# Altium PCB 1010829PA_HVFlyback_GD_Testboard.PcbDoc (part 1 of 2) (continued)
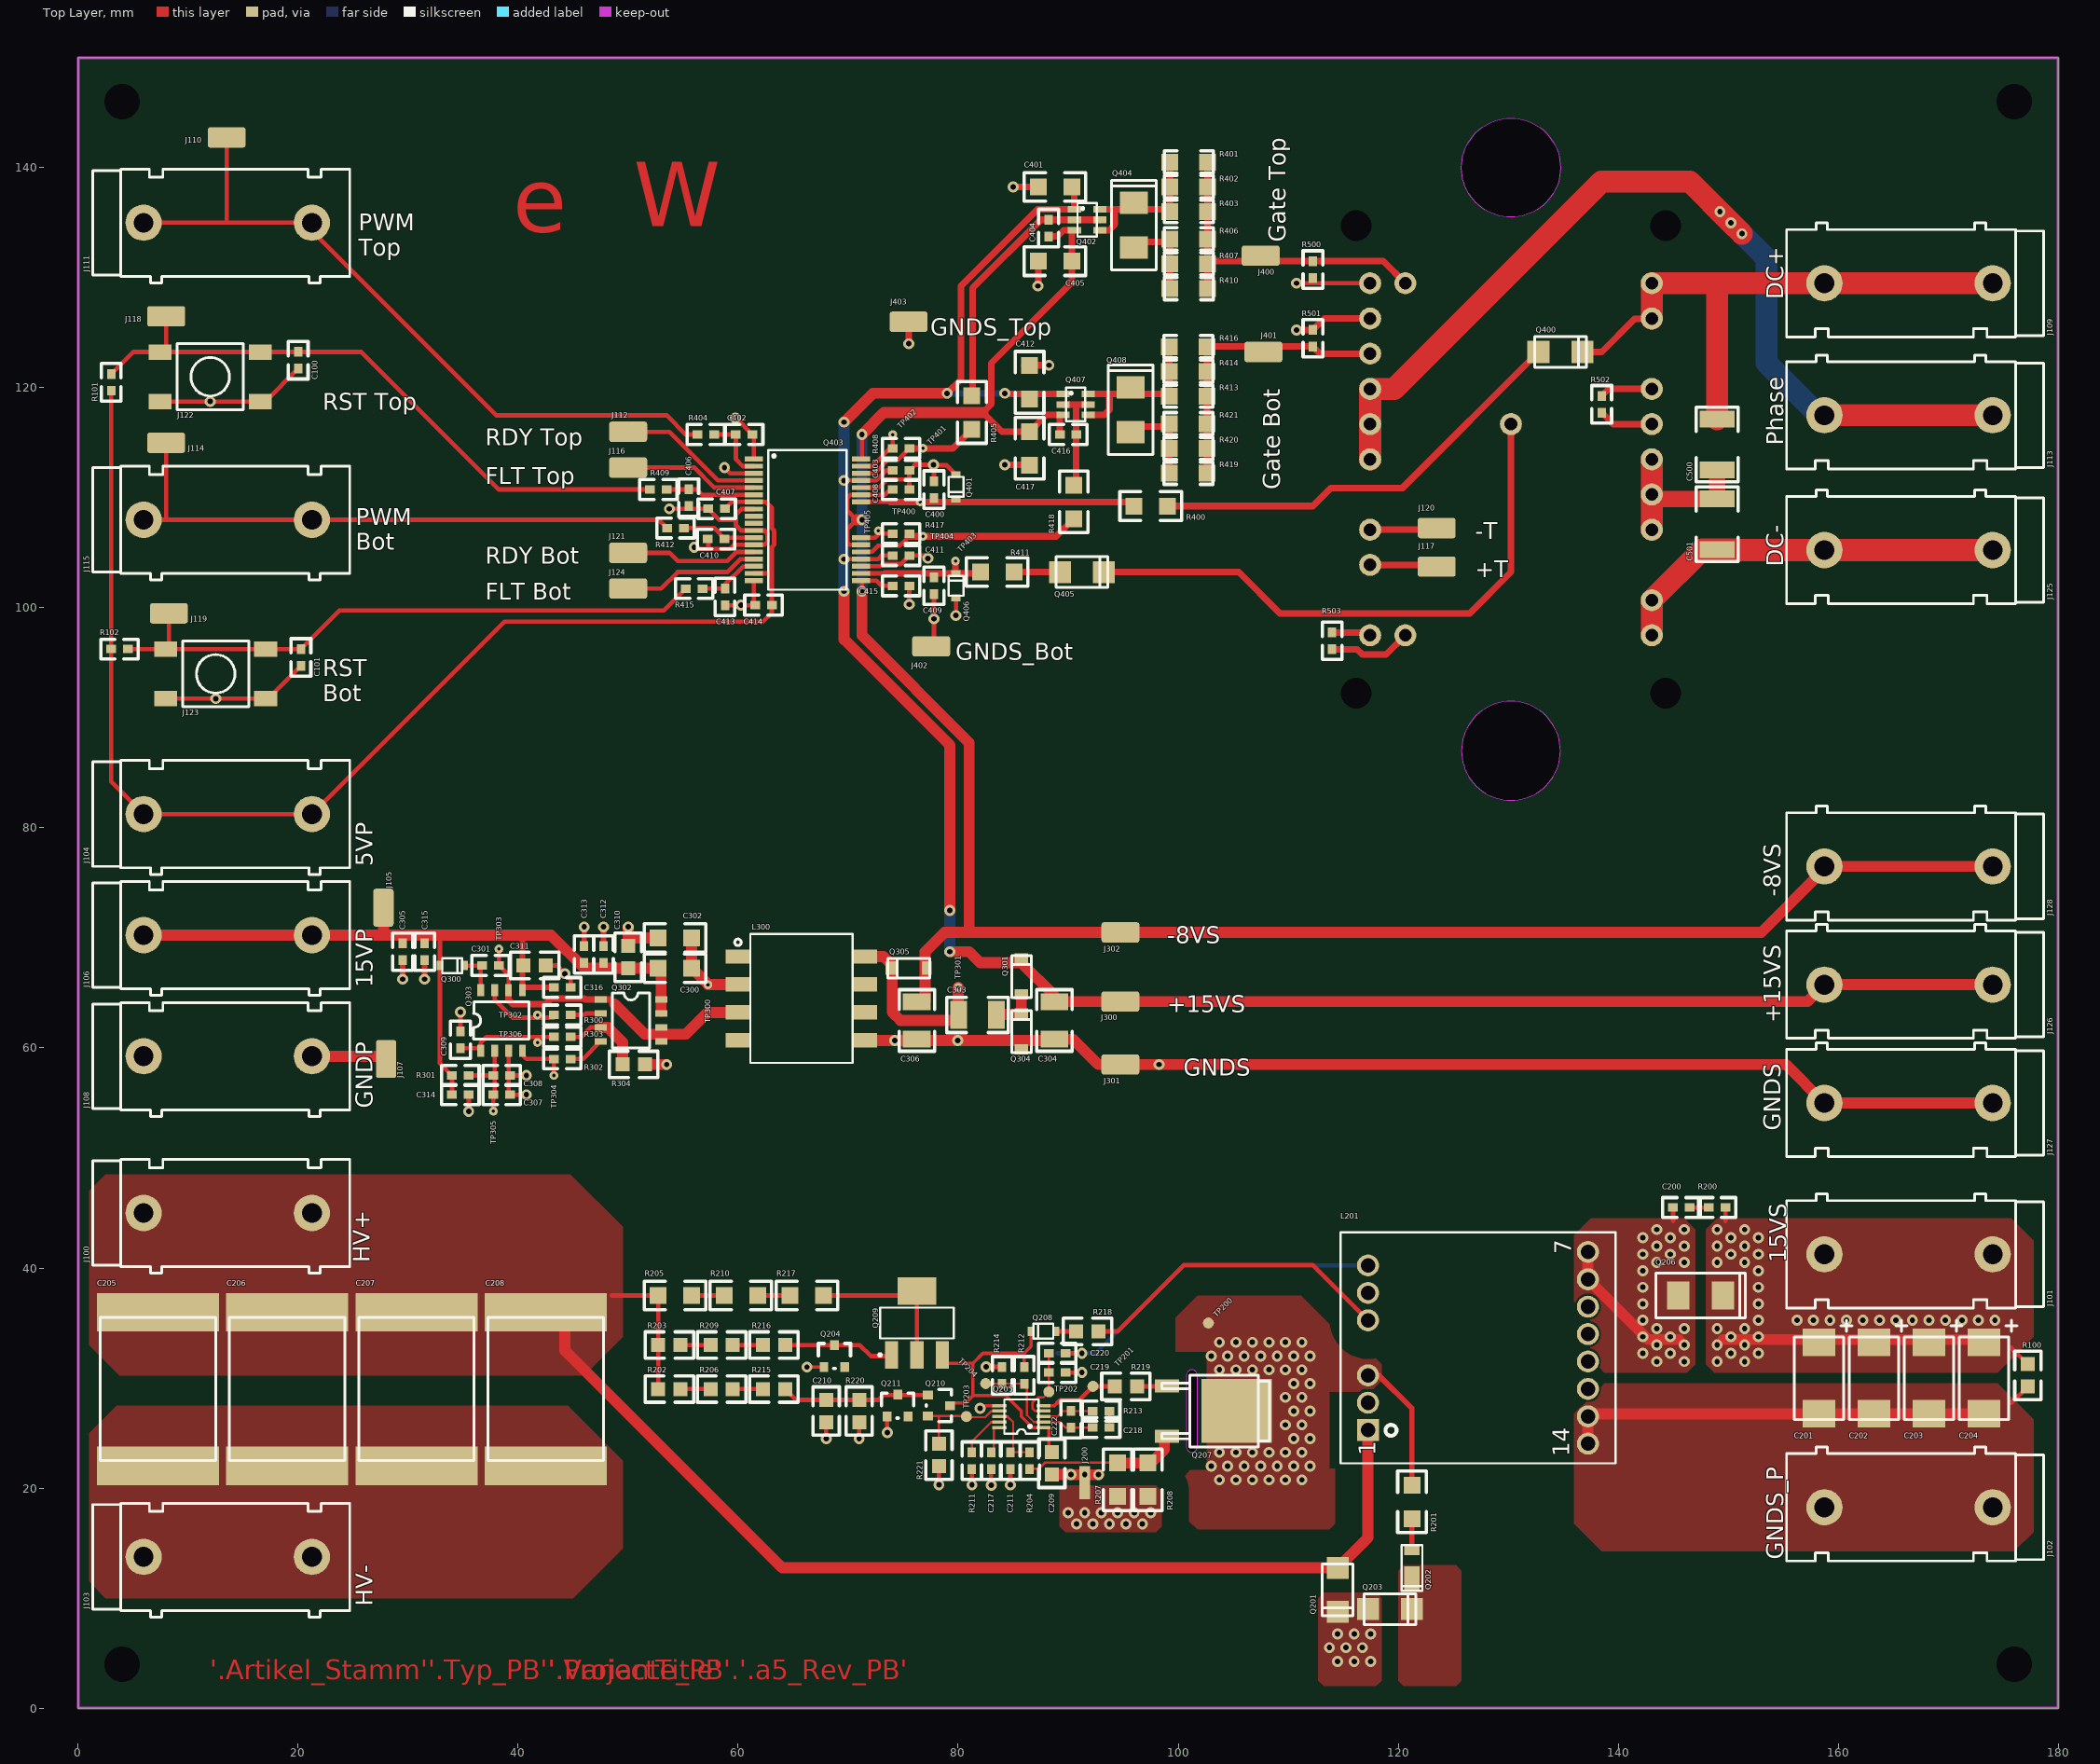
[diagram p0: Top Layer view]
## Part data (continued)
C303 C304 C306: library part 02-0107, CaseName=1210, Manufacturer 1=muRata, Manufacturer Part Number 1=GRM32ER71H475KA88L, Tolerance=10, Voltage=50V, Checked=SBR, ComponentLink1Description=Datasheet, ComponentLink1URL=http://search.murata.co.jp/Ceramy/image/img/PDF/ENG/GRM32ER71H475KA88.pdf, Distributor=Distrelec, LatestRevision Date=13.12.2006, LatestRevision Note=Checked, Order Number=823524, Part Description="Ceramic 1210 4u7 50V X7R", Part Number=02-0107, PartValue=4u7, Price=1.18, ROHS=True, Type1=CAP, Type2=Ceramic, Type3=X7R
C309: library part 02-0303, CaseName=0603, Manufacturer 1=Murata, Manufacturer Part Number 1=GCM188R72A102KA37D, Tolerance=10, Voltage=100V, Author=RLE, ComponentLink1Description=Datasheet, ComponentLink1URL=http://search.murata.co.jp/Ceramy/image/img/A01X/G101/ENG/GCM188R72A102KA37-01.pdf, Distributor=Mouser, LatestRevision Date=15.10.2013, LatestRevision Note=Initial, Order Number=81-GCM188R72A102KA7D, Part Description="Ceramic 0603 1n 100V X7R Automotive (AEC-Q200)", Part Number=02-0303, PartValue=1n, Price=0.3, ROHS=True, Type1=CAP, Type2=Ceramic, Type3=X7R
C310 C311: library part 02-0268, CaseName=0805, Manufacturer 1=TDK, Manufacturer Part Number 1=CGA4J1X7R1E475K, Tolerance=10, Voltage=25V, Author=MFR, ComponentLink1Description=Datasheet, ComponentLink1URL=http://www.tdk.com/pdf/general_B11.pdf, Distributor=Mouser, LatestRevision Date=18.06.2012, LatestRevision Note=Initial, Order Number=810-CGA4J1X7R1E475K, Part Description="Automotive Ceramic 0805 4.7uF 25V 10%", Part Number=02-0268, PartValue=4u7, Price=0.55, ROHS=True, Type1=CAP, Type2=Ceramic, Type3=X7R
C401 C405 C412 C417: library part 02-0262, CaseName=1206, Manufacturer 1=TDK, Manufacturer Part Number 1=CGA5L1X7R1E106M160AE, Manufacturer Part Number 2=CGA5L1X7R1E106K160AE, Tolerance=20, Voltage=25V, Author=CBA, ComponentLink1Description=Datasheet, ComponentLink1URL=http://tdk.com/pdf/automotive_B11.pdf, Distributor=Digikey, Distributor 2=Mouser, LatestRevision Date=15.06.2012, LatestRevision Note=Initial, Manufacturer 2=TDK, Order Number=445-7969-1-ND, Order Number 2=810-CGA5L1X7R1E106KS, Part Description="Ceramic 1206 10uF 25V X7R flexiterm, automotive", Part Number=02-0262, PartValue=10u, Price=1.24, ROHS=True, Type1=CAP, Type2=Ceramic, Type3=X7R
C500 C501: library part 02-0279, CaseName=1812, Manufacturer 1=Kemet, Manufacturer Part Number 1=C1812X104KDRACTU, Tolerance=10, Voltage=1000V, Author=RLE, ComponentLink1Description=Datasheet, ComponentLink1URL=http://www.kemet.com/kemet/web/homepage/kechome.nsf/file/KEM_C1034_X7R_HV_ARC_SMD/$file/KEM_C1034_X7R_HV_ARC_SMD.pdf, Distributor=Mouser, LatestRevision Date=04.07.2012, LatestRevision Note=Initial, Order Number=80-C1812X104KDRACTU, Part Description="Ceramic 1812 100n 1000VDC X7R flexiterm", Part Number=02-0279, PartValue=100n, Price=0.92, ROHS=True, Type1=CAP, Type2=Ceramic, Type3=X7R
J100 J101 J104 J106 J126 J128: library part 13-0252, Current=10A, Manufacturer 1=Deltron, Manufacturer Part Number 1=571-0500, Voltage=250V, Author=MFR, ComponentLink1Description=Datasheet, ComponentLink1URL=http://www.dem-uk.com/deltron-components/Data/Product_Downloads/571-SERIES.pdf, Distributor=Mouser, LatestRevision Date=12.04.2012, LatestRevision Note=Initial, Order Number=164-6219, Part Description="4mm Laborbuchse rot", Part Number=13-0252, PartValue="Laborbuchse Rot", Price=2.1, ROHS=True, Type1=CON, Type2=TH
J102 J103 J108 J127: library part 13-0253, Current=10A, Manufacturer 1=Deltron, Manufacturer Part Number 1=571-0100, Voltage=250V, Author=MFR, ComponentLink1Description=Datasheet, ComponentLink1URL=http://www.dem-uk.com/deltron-components/Data/Product_Downloads/571-SERIES.pdf, Distributor=Mouser, LatestRevision Date=12.04.2012, LatestRevision Note=Initial, Order Number=164-6218, Part Description="4mm Laborbuchse schwarz", Part Number=13-0253, PartValue="Laborbuchse Schwarz", Price=2.1, ROHS=True, Type1=CON, Type2=TH
J105 J107 J110 J112 J114 J116 J117 J118 J119 J120 J121 J124 J300 J301 J302 J400 J401 J402 J403: library part 13-0487, "Probe Hook", Manufacturer 1=Harwin, Author=CSI, ComponentLink1Description=Datasheet, ComponentLink1URL=https://cdn.harwin.com/pdfs/60page187.pdf, Distributor=DigiKey, Distributor 2=Mouser, LatestRevision Date=19.09.2016, LatestRevision Note=Initial, Manufacturer Part Number 1=S1751-46R, Order Number=952-1478-2-ND, Order Number 2=855-S1751-46R, Part Description="SMD Probe Hook 2mm HIGH, 3.45x1.85mm", Part Number=13-0487, PartValue=S1751-46R, Price=0.25, ROHS=True, Type1=TP, Type2=SMD
J109 J113 J125: library part 13-0507, Current=10A, Manufacturer 1=Deltron, Manufacturer Part Number 1=571-0200, Voltage=250V, Author=RLE, ComponentLink1Description=Datasheet, ComponentLink1URL=http://www.dem-uk.com/deltron-components/Data/Product_Downloads/571-SERIES.pdf, Distributor=Mouser, LatestRevision Date=14.11.2016, LatestRevision Note=Initial, Order Number=164-7120, Part Description="4mm Laborbuchse blau", Part Number=13-0507, PartValue="Laborbuchse Blau", Price=1.87, ROHS=True, Type1=CON, Type2=TH
J111 J115: library part 13-0506, Current=10A, Manufacturer 1=Deltron, Manufacturer Part Number 1=571-0700, Voltage=250V, Author=RLE, ComponentLink1Description=Datasheet, ComponentLink1URL=http://www.dem-uk.com/deltron-components/Data/Product_Downloads/571-SERIES.pdf, Distributor=Mouser, LatestRevision Date=08.11.2016, LatestRevision Note=Initial, Order Number=164-7170, Part Description="4mm Laborbuchse gelb", Part Number=13-0506, PartValue="Laborbuchse Gelb", Price=1.81, ROHS=True, Type1=CON, Type2=TH
J122 J123: library part 10-0001, Manufacturer 1=Tyco, Manufacturer Part Number 1=3-1437565-0, Voltage=24V, Author=CBA, ComponentLink1Description=Datasheet, ComponentLink1URL=http://www.te.com/commerce/DocumentDelivery/DDEController?Action=showdoc&DocId=Customer+Drawing%7F2-1437565-7%7FU2%7Fpdf%7FEnglish%7FENG_CD_2-1437565-7_U2.pdf%7F3-1437565-0, Distributor=Mouser, Distributor 2=Digikey, LatestRevision Date=26.12.2006, LatestRevision Note=Initial, Order Number=506-3-1437565-0, Order Number 2=450-1757-1-ND, Part Description="SWITCH, SPNO TACT SMD", Part Number=10-0001, PartValue=FSM2JSMA, Price=0.4, ROHS=True
J200: library part 12-0017, "NetCon", Author=MSC, ComponentLink1Description=Datasheet, LatestRevision Date=07.02.2008, LatestRevision Note=Initial, Part Description=NetCon, Part Number=12-0017, PartValue=3x1top, Price=0, ROHS=False, Type1=NetCon
L201: library part 06-0145, "Flyback Transformer on Würth 070-6258 Bobbin", CaseName=EE20/10/6, Current=1A527, Manufacturer 1=Würth, Manufacturer Part Number 1=750871630, Author=NLE, ComponentLink1Description=Datasheet, ComponentLink1URL=http://katalog.we-online.de/ctm/datasheet/750871630.pdf, Distributor=Mouser, Distributor 2=Digikey, LatestRevision Date=02.01.2018, LatestRevision Note=Initial, Order Number=710-750871630, Order Number 2=732-2237-ND, Part Description="Midcom THT Flyback Transformer 15.8:7.18:7.18, Lp=500uH", Part Number=06-0145, PartValue=15.8:7.18:7.18, Price=8.86, ROHS=True, Type1=TRA
L300: library part 06-0146, "Gate Drive Transformer", CaseName=B78307A, Manufacturer 1=TDK, Manufacturer Part Number 1=B78307A2276A003, Author=NLE, ComponentLink1Description=Datasheet, ComponentLink1URL="K:\Volkswagen\1779_LE_BZ_Luftversorgung\03_Hardware\031_Analyse_Spezifikation\BS1\Datenblätter\Gate Drive Supply\B78307A2276A003.pdf", Distributor=Mouser, LatestRevision Date=04.01.2018, LatestRevision Note=Initial, Order Number=871-B78307A2276A003, Part Description="Gate Drive Transformer, 1:1.08, Lp=100uH", Part Number=06-0146, PartValue=1:1.08, Price=3.43, ROHS=True, Type1=TRA
Q201 Q203: library part 03-0427, CaseName=SMA, Current=4A3, Manufacturer 1=ST, Voltage=58V, Author=NLE, ComponentLink1Description=Datasheet, ComponentLink1URL=http://www.mouser.com/ds/2/389/sm4ty-955192.pdf, Distributor=Mouser, LatestRevision Date=02.01.2018, LatestRevision Note=Initial, Manufacturer Part Number 1=SM4T68AY, Order Number=511-SM4T68AY, Part Description="TVS Diode unidirektional 68V, 400Wp, AEC-Q101", Part Number=03-0427, PartValue=SM4T68AY, Price=0.81, ROHS=True, Type1=TVS, Type2=Power
Q202: library part 03-0225, CaseName=POWERDI123, Current=1A, Manufacturer 1="Diodes Inc", Voltage=100V, Author=CSI, ComponentLink1Description=Datasheet, ComponentLink1URL=http://www.diodes.com/datasheets/ds30497.pdf, Distributor=Mouser, LatestRevision Date=24.04.2013, LatestRevision Note=Initial, Manufacturer Part Number 1=DFLS1100-7, Order Number=621-DFLS1100-7, Part Description="Schottky Diode 100V, 1A, PowerDI123", Part Number=03-0225, PartValue=DFLS1100-7, Price=0.6, ROHS=True, Type1=DIODE, Type2=Power
Q204: library part 03-0210, CaseName=SOT23, Manufacturer 1=NXP, Manufacturer Part Number 1=BZX84-C12/T1, Voltage=12V, ComponentLink1Description=Datasheet, ComponentLink1URL=http://www.nxp.com/documents/data_sheet/BZX84_SERIES.pdf, Distributor=Farnell, LatestRevision Date=03.07.2012, LatestRevision Note=Initial, Order Number=1081407, Part Description="Zener Diode 250mW 5%, AEC-Q101", Part Number=03-0210, PartValue=BZX84-12V, Price=0.18, ROHS=True, Type1=ZDIODE
Q205: library part 04-0502, CaseName=VSSOP-10, Manufacturer 1=TI, Manufacturer Part Number 1=LM5022QDGSRQ1, Author=LME, ComponentLink1Description=Datasheet, ComponentLink1URL=http://www.ti.com/lit/ds/symlink/lm5022-q1.pdf, Distributor=Mouser, Distributor 2=DigiKey, LatestRevision Date=19.12.2017, LatestRevision Note=Initial, Order Number=595-LM5022QDGSRQ1, Order Number 2=296-47208-1-ND, Part Description="2.2MHz, 60 V Low-Side Controller For Boost and SEPIC", Part Number=04-0502, PartValue=LM5022-Q1, Price=2.32, ROHS=True, Type1=SPREG, Type2=Switching
Q206: library part 03-0428, CaseName=SMB, Current=3A, Manufacturer 1=ST, Manufacturer 2=ES2D-E3/52T, Voltage=150V, Author=NLE, ComponentLink1Description=Datasheet, ComponentLink1URL=http://www.mouser.com/ds/2/389/stps3150-y-956515.pdf, Distributor=Mouser, LatestRevision Date=02.01.2018, LatestRevision Note=Initial, Manufacturer Part Number 1=STPS3150UY, Order Number=511-STPS3150UY, Part Description="Schottky 3A 150V VRRM 0.67VF 200V/2A AEC-Q101", Part Number=03-0428, PartValue=STPS3150UY, Price=0.68, ROHS=True, Type1=DIODE, Type2=Power
Q207: library part 03-0426, CaseName=PG-TO252-3, Current=2A, Manufacturer 1=Infineon, Manufacturer Part Number 1=IPD80R2K7C3AATMA1, Voltage=800V, Author=NLE, ComponentLink1Description=Datasheet, ComponentLink1URL=https://www.infineon.com/dgdl/Infineon-IPD80R2K7C3A-DS-v01_01-EN.pdf?fileId=5546d4625e763904015ec2d9c72064a0, Distributor=Mouser, LatestRevision Date=02.01.2018, LatestRevision Note=Initial, Order Number=726-IPD80R2K7C3AATMA, Part Description="800V N-Channel MOSFET, AEC-Q101", Part Number=03-0426, PartValue=IPD80R2K7C3A, Price=1.45, ROHS=True, Type1=NMOS, Type2=Power
Q208: library part 03-0429, CaseName=SOD323, Current=150m, Manufacturer 1=Vishay, Manufacturer Part Number 1=1N4148WS-HE3-18, Voltage=100V, Author=NLE, ComponentLink1Description=Datasheet, ComponentLink1URL=http://www.vishay.com/docs/85751/1n4148ws.pdf, Distributor=Mouser, LatestRevision Date=03.01.2018, LatestRevision Note=Initial, Order Number=78-1N4148WS-HE3-18, Part Description="Small signal switching diode 150mA 100V AEC-Q101", Part Number=03-0429, PartValue=1N4148WS-HE3, Price=0.245, ROHS=True, Type1=DIODE, Type2=Signal
Q209: library part 03-0432, CaseName=PG-SOT223, Current=0A19, Manufacturer 1=Infineon, Manufacturer Part Number 1=BSP300H6327XUSA1, Voltage=800V, Author=NLE, ComponentLink1Description=Datasheet, ComponentLink1URL=http://www.mouser.com/ds/2/196/Infineon-BSP300-DS-v02_02-en-1226332.pdf, Distributor=Mouser, LatestRevision Date=08.01.2018, LatestRevision Note=Initial, Order Number=726-BSP300H6327XUSA1, Part Description="N-channel MOSFET 800V 190mA AECQ-101", Part Number=03-0432, PartValue=BSP300, Price=0.96, ROHS=True, Type1=NMOS, Type2=Signal
Q210: library part 03-0198, CaseName=SOT23, Current=3A8, Manufacturer 1=NXP, Voltage=60V, Author=SSC, ComponentLink1Description=Datasheet, ComponentLink1URL=http://www.nxp.com/documents/data_sheet/PBSS4041NT.pdf, Distributor=Mouser, Distributor 2=DigiKey, LatestRevision Date=25.05.2012, LatestRevision Note=Initial, Manufacturer Part Number 1=PBSS4041NT, Order Number=771-PBSS4041NT215, Order Number 2=568-5069-1-ND, Part Description="TRANSISTOR NPN,60V,3.8A,SOT23", Part Number=03-0198, PartValue=PBSS4041NT, Price=0.179, ROHS=True, Type1=NPN, Type2=Power
Q211: library part 03-0027, CaseName=SOT23, Manufacturer 1=NXP, Manufacturer Part Number 1=BZX84-C4V7, Voltage=4V7, Author=CBA, ComponentLink1Description=Datasheet, ComponentLink1URL=http://www.nxp.com/documents/data_sheet/BZX84_SERIES.pdf, Distributor=Farnell, LatestRevision Date=05.10.2006, LatestRevision Note=Initial, Order Number=1081428, Part Description="Zener Diode 250mW 5%", Part Number=03-0027, PartValue=BZX84-4.7V, Price=0.19, ROHS=True, Type1=ZDIODE
Q300 Q401 Q406: library part 03-0389, CaseName=SOD323, Current=520m, Manufacturer 1=Diodes, Manufacturer Part Number 1=ZLLS400TA, Voltage=40V, Author=RLE, Checked=CRA, ComponentLink1Description=Datasheet, ComponentLink1URL=http://www.diodes.com/_files/datasheets/ZLLS400.pdf, Distributor=Mouser, LatestRevision Date=24.03.2016, LatestRevision Note=Checked, Order Number=522-ZLLS400TA, Part Description="Low VF, fast switching Schottky, extremely low leakage", Part Number=03-0389, PartValue=ZLLS400, Price=0.413, ROHS=True, Type1=DIODE, Type2=Signal
Q301 Q304 Q305: library part 03-0124, CaseName=SOD123, Current=1A, Manufacturer 1=NXP, Voltage=40V, Author=MSC, Checked=HHU, ComponentLink1Description=Datasheet, ComponentLink1URL=http://www.nxp.com/documents/data_sheet/PMEG4010CEH_PMEG4010CEJ.pdf, Distributor=Farnell, LatestRevision Date=09.12.2008, LatestRevision Note=Checked, Manufacturer Part Number 1=PMEG4010CEH, Order Number=1510690, Part Description="Diode Schottky 40V 1A SOD123", Part Number=03-0124, PartValue=PMEG4010CEH, Price=0.44, ROHS=True, Type1=DIODE, Type2=Power
Q302: library part 03-0419, "OptiMOS Dual N-Channel 5A 55V 35mOhm, AEC-Q101", CaseName=SO-8, Current=5A, Manufacturer 1=Infineon, Voltage=55V, Author=RVI, ComponentLink1Description=Datasheet, ComponentLink1URL=https://www.infineon.com/dgdl/Infineon-BSO604NS2-DS-v01_01-en.pdf?fileId=db3a30431936bc4b01194c433efb3fda, Distributor=Mouser, LatestRevision Date=03.08.2017, LatestRevision Note=Initial, Manufacturer Part Number 1=BSO604NS2XUMA1, Order Number=726-BSO604NS2XUMA1, Part Description="OptiMOS Dual N-Channel 5A 55V 35mOhm, AEC-Q101", Part Number=03-0419, PartValue=BSO604NS2XUMA1, Price=1, ROHS=True, Type1=NMOS, Type2=Power
Q303: library part 04-0493, "High Speed Half-Bridge Driver,  Self Oscilating 50%, 1A, 100V, AEC-Q100", CaseName=SO-8, Manufacturer 1=Infineon, Manufacturer Part Number 1=AUIR2085STR, Author=RVI, ComponentLink1Description=Datasheet, ComponentLink1URL=https://www.infineon.com/dgdl/auir2085s.pdf?fileId=5546d462533600a4015355a82609133f, Distributor="Future Electronics", LatestRevision Date=03.08.2017, LatestRevision Note=Initial, Order Number=AUIR2085STR, Part Description="High Speed Half-Bridge Driver,  Self Oscilating 50%, 1A, 100V, AEC-Q100", Part Number=04-0493, PartValue=AUIR2085S, Price=1.7, ROHS=True, Type1=MIXSIG
Q400 Q405: library part 03-0182, CaseName=SMA, Current=1A, Manufacturer 1=Vishay, Manufacturer Part Number 1=US1MHE3_A/H, Voltage=1000V, Author=RLE, ComponentLink1Description=Datasheet, ComponentLink1URL=http://www.vishay.com/docs/88768/88768.pdf, Distributor=Mouser, Distributor 2=Mouser, LatestRevision Date=29.12.2011, LatestRevision Note=Initial, Order Number=78-US1MHE3_A/H, Order Number 2=78-US1MHE3_A/I, Part Description="Ultra Fast Recovery Rectifier, 1000V / 1A / 75ns", Part Number=03-0182, PartValue=US1M, Price=0.225, ROHS=True, Type1=DIODE, Type2=Power
Q402 Q407: library part 03-0248, CaseName=SOT23-6, Current=3A5, Manufacturer 1="Diodes Inc", Voltage=40V, Author=RLE, ComponentLink1Description=Datasheet, ComponentLink1URL=http://www.diodes.com/datasheets/ZXTC2063E6.pdf, Distributor=Mouser, Distributor 2=DigiKey, LatestRevision Date=13.12.2013, LatestRevision Note=Initial, Manufacturer Part Number 1=ZXTC2063E6, Order Number=522-ZXTC2063E6TA, Order Number 2=ZXTC2063E6CT-ND, Part Description="40V /3.5A  Complementary (NPN/PNP) Medium Power Transistor, AEC-Q 101", Part Number=03-0248, PartValue=ZXTC2063E6, Price=0.745, ROHS=True, Type2=Power
Q403: library part 04-0486, "Dual IGBT Driver IC", CaseName=DSO-36, Manufacturer="Infineon Technologies", Manufacturer 1=Infineon, ManufacturerPartNumber=2ED020I12FA, Author=RVI, ComponentLink1Description=Datasheet, ComponentLink1URL=https://www.infineon.com/dgdl/Infineon-2ED020I12FA-DS-v03_01-EN.pdf?fileId=db3a30432e779412012e7b87d2b23878, Distributor=Farnell, Distributor 2=Mouser, LatestRevision Date=21.07.2017, LatestRevision Note=Initial, Manufacturer Part Number 1=2ED020I12FAXUMA2, Order Number=2762284, Order Number 2=726-2ED020I12FAXUMA2, PackageReference=PG-DSO-36, Part Description="Galvanic isolated dual channel IGBT driver - 2A", Part Number=04-0486, PartValue=2ED020I12FAXUMA2, Price=9.96, ROHS=True, Type1=MIXSIG
Q404 Q408: library part 03-0112, CaseName=SMB, Current=4A, Manufacturer 1=Vishay, Voltage=30V, Author=MSC, Checked=HHU, ComponentLink1Description=Datasheet, ComponentLink1URL=http://www.vishay.com/docs/88884/ssb43l.pdf, Distributor=Digikey, LatestRevision Date=27.11.2008, LatestRevision Note=Checked, Manufacturer Part Number 1=SSB43L, Order Number=SSB43L-E3/52TGICT-ND, Part Description="High current density schottky rectifier", Part Number=03-0112, PartValue=SSB43L, Price=0.45, ROHS=True, Type1=DIODE, Type2=Power
Q500: library part 03-0421, CaseName="SEMITOP E1", Current=150A, Manufacturer 1=Semikron, Voltage=650V, Author=NLE, ComponentLink1Description=Datasheet, ComponentLink1URL="K:\Volkswagen\1779_LE_BZ_Luftversorgung\03_Hardware\Datenblätter VW ELV\Modul\OFF-17-0180.01_VW_SEMITOPE1_technical information 24.08.17.pdf", Distributor=Semikron, LatestRevision Date=13.11.2017, LatestRevision Note=Initial, Manufacturer Part Number 1=SK150TMLI07S5TD1E1, Order Number=SK150TMLI07S5TD1E1, Part Description="Single phase TNPC, 650V, 150A, mit NTC, Preliminary", Part Number=03-0421, PartValue=SK150TMLI07S5TD1E1, Price=0, ROHS=False, Type1=MODULE, Type2=Power
R100: library part 01-0406, CaseName=0805, Manufacturer 1=Tyco, Manufacturer Part Number 1=RN73C2A10KBTG, Power=100m, Tolerance=0.1%, Voltage=100V, Author=CBA, Checked=HHU, ComponentLink1Description=Datasheet, ComponentLink1URL=http://www.farnell.com/datasheets/75215.pdf, Distributor=Farnell, LatestRevision Date=28.11.2008, LatestRevision Note=Checked, Order Number=1140912, Part Description="0805 10k 100V 0.1W 0.1%", Part Number=01-0406, PartValue=10k, Price=3.7, ROHS=True, Type1=RES, Type2=Thinfilm
R101 R102: library part 01-0004, CaseName=0603, Manufacturer 1=Multicomp, Manufacturer Part Number 1="MC 0.063W 0603 1% 10K", Power=63m, Tolerance=1%, Voltage=50V, Author=CBA, Checked=CBA, ComponentLink1Description=Datasheet, ComponentLink1URL=http://www.farnell.com/datasheets/90824.pdf, Distributor=Farnell, LatestRevision Date=06.10.2006, LatestRevision Note=Checked, Order Number=9330399, Part Description="0603 10k 50V 0.063W 1%", Part Number=01-0004, PartValue=10k, Price=0.055, ROHS=True, Type1=RES, Type2=Thickfilm
R200: library part 01-0584, CaseName=0603, Manufacturer 1=Vishay, Manufacturer Part Number 1=TNPW0603100RBEEA, Power=100m, Tolerance=0.1%, Voltage=75V, Author=MFR, ComponentLink1Description=Datasheet, ComponentLink1URL=http://www.vishay.com/docs/28758/tnpw_e3.pdf, Distributor=Mouser, LatestRevision Date=18.06.2012, LatestRevision Note=Initial, Order Number=71-TNPW0603100RBEEA, Part Description="0603 100R 75V 0.1W 0.1% 25ppm AEC-Q200", Part Number=01-0584, PartValue=100E, Price=0.4, ROHS=True, Type1=RES, Type2=Metalfilm
R201: library part 01-0261, CaseName=1206, Manufacturer 1=Multicomp, Manufacturer Part Number 1="MC 0.125W1206 1% 10R", Power=125m, Tolerance=1%, Voltage=200V, Author=CBA, Checked=CBA, ComponentLink1Description=Datasheet, ComponentLink1URL=http://www.farnell.com/datasheets/90824.pdf, Distributor=Farnell, LatestRevision Date=06.10.2006, LatestRevision Note=Checked, Order Number=9335790, Part Description="1206 10E 200V 0.125W 1%", Part Number=01-0261, PartValue=10E, Price=0.055, ROHS=True, Type1=RES, Type2=Thickfilm
R202 R203 R206 R209 R215 R216: library part 01-0158, CaseName=0805, Manufacturer 1=Multicomp, Manufacturer Part Number 1="MC 0.1W 0805 1% 1M", Power=100m, Tolerance=1%, Voltage=150V, Author=CBA, Checked=CBA, ComponentLink1Description=Datasheet, ComponentLink1URL=http://www.farnell.com/datasheets/90824.pdf, Distributor=Farnell, LatestRevision Date=06.10.2006, LatestRevision Note=Checked, Order Number=9332413, Part Description="0805 1M 150V 0.1W 1%", Part Number=01-0158, PartValue=1M, Price=0.055, ROHS=True, Type1=RES, Type2=Thickfilm
R204: library part 01-0003, CaseName=0603, Manufacturer 1=Multicomp, Manufacturer Part Number 1="MC 0.063W 0603 1% 1K", Power=63m, Tolerance=1%, Voltage=50V, Author=CBA, Checked=CBA, ComponentLink1Description=Datasheet, ComponentLink1URL=http://www.farnell.com/datasheets/90824.pdf, Distributor=Farnell, LatestRevision Date=06.10.2006, LatestRevision Note=Checked, Order Number=9330380, Part Description="0603 1k 50V 0.063W 1%", Part Number=01-0003, PartValue=1k, Price=0.055, ROHS=True, Type1=RES, Type2=Thickfilm
R205 R210 R217: library part 01-0317, CaseName=1206, Manufacturer 1=Multicomp, Manufacturer Part Number 1="MC 0.125W1206 1% 3K3", Power=125m, Tolerance=1%, Voltage=200V, Author=CBA, Checked=CBA, ComponentLink1Description=Datasheet, ComponentLink1URL=http://www.farnell.com/datasheets/90824.pdf, Distributor=Farnell, LatestRevision Date=06.10.2006, LatestRevision Note=Checked, Order Number=9336362, Part Description="1206 3k3 200V 0.125W 1%", Part Number=01-0317, PartValue=3k3, Price=0.055, ROHS=True, Type1=RES, Type2=Thickfilm
R207 R208: library part 01-0780, CaseName=1206, Manufacturer 1="TT Electronics", Manufacturer Part Number 1=LR1206-R10FW, Power=500m, Tolerance=1%, Voltage=200V, Author=LME, ComponentLink1Description=Datasheet, ComponentLink1URL=http://www.ttelectronics.com/sites/default/files/resistors-datasheets/LR.pdf, Distributor=Farnell, Distributor 2=Mouser, LatestRevision Date=21.12.2017, LatestRevision Note=Initial, Order Number=1099914, Order Number 2=756-LR1206-R10FW, Part Description="1206 100m 200V 0.5W 1% AEC-Q200", Part Number=01-0780, PartValue=100m, Price=0.651, ROHS=True, Type1=RES, Type2=Thickfilm
R211: library part 01-0032, CaseName=0603, Manufacturer 1=Multicomp, Manufacturer Part Number 1="MC 0.063W 0603 1% 160K", Power=63m, Tolerance=1%, Voltage=50V, Author=CBA, Checked=CBA, ComponentLink1Description=Datasheet, ComponentLink1URL=http://www.farnell.com/datasheets/90824.pdf, Distributor=Farnell, LatestRevision Date=06.10.2006, LatestRevision Note=Checked, Order Number=9330682, Part Description="0603 160k 50V 0.063W 1%", Part Number=01-0032, PartValue=160k, Price=0.055, ROHS=True, Type1=RES, Type2=Thickfilm
R212: library part 01-0120, CaseName=0603, Manufacturer 1=Multicomp, Manufacturer Part Number 1="MC 0.063W 0603 1% 82K", Power=63m, Tolerance=1%, Voltage=50V, Author=CBA, Checked=CBA, ComponentLink1Description=Datasheet, ComponentLink1URL=http://www.farnell.com/datasheets/90824.pdf, Distributor=Farnell, LatestRevision Date=06.10.2006, LatestRevision Note=Checked, Order Number=9331573, Part Description="0603 82k 50V 0.063W 1%", Part Number=01-0120, PartValue=82k, Price=0.055, ROHS=True, Type1=RES, Type2=Thickfilm
R213: library part 01-0035, CaseName=0603, Manufacturer 1=Multicomp, Manufacturer Part Number 1="MC 0.063W 0603 1% 1K8", Power=63m, Tolerance=1%, Voltage=50V, Author=CBA, Checked=CBA, ComponentLink1Description=Datasheet, ComponentLink1URL=http://www.farnell.com/datasheets/90824.pdf, Distributor=Farnell, LatestRevision Date=06.10.2006, LatestRevision Note=Checked, Order Number=9330712, Part Description="0603 1k8 50V 0.063W 1%", Part Number=01-0035, PartValue=1k8, Price=0.06, ROHS=True, Type1=RES, Type2=Thickfilm
R214: library part 01-0114, CaseName=0603, Manufacturer 1=Multicomp, Manufacturer Part Number 1="MC 0.063W 0603 1% 7K5", Power=63m, Tolerance=1%, Voltage=50V, Author=CBA, Checked=CBA, ComponentLink1Description=Datasheet, ComponentLink1URL=http://www.farnell.com/datasheets/90824.pdf, Distributor=Farnell, LatestRevision Date=06.10.2006, LatestRevision Note=Checked, Order Number=9331514, Part Description="0603 7k5 50V 0.063W 1%", Part Number=01-0114, PartValue=7k5, Price=0.055, ROHS=True, Type1=RES, Type2=Thickfilm
R218: library part 01-0159, CaseName=0805, Manufacturer 1=Multicomp, Manufacturer Part Number 1="MC 0.1W 0805 1% 10R", Power=100m, Tolerance=1%, Voltage=150V, Author=CBA, Checked=CBA, ComponentLink1Description=Datasheet, ComponentLink1URL=http://www.farnell.com/datasheets/90824.pdf, Distributor=Farnell, LatestRevision Date=06.10.2006, LatestRevision Note=Checked, Order Number=9332421, Part Description="0805 10E 150V 0.1W 1%", Part Number=01-0159, PartValue=10E, Price=0.055, ROHS=True, Type1=RES, Type2=Thickfilm
R219: library part 01-0217, CaseName=0805, Manufacturer 1=Multicomp, Manufacturer Part Number 1="MC 0.1W 0805 1% 47R", Power=100m, Tolerance=1%, Voltage=150V, Author=CBA, Checked=CBA, ComponentLink1Description=Datasheet, ComponentLink1URL=http://www.farnell.com/datasheets/90824.pdf, Distributor=Farnell, LatestRevision Date=06.10.2006, LatestRevision Note=Checked, Order Number=9333290, Part Description="0805 47E 150V 0.1W 1%", Part Number=01-0217, PartValue=47E, Price=0.055, ROHS=True, Type1=RES, Type2=Thickfilm
R220: library part 01-0163, CaseName=0805, Manufacturer 1=Multicomp, Manufacturer Part Number 1="MC 0.1W 0805 1% 110K", Power=100m, Tolerance=1%, Voltage=150V, Author=CBA, Checked=CBA, ComponentLink1Description=Datasheet, ComponentLink1URL=http://www.farnell.com/datasheets/90824.pdf, Distributor=Farnell, LatestRevision Date=06.10.2006, LatestRevision Note=Checked, Order Number=9332464, Part Description="0805 110k 150V 0.1W 1%", Part Number=01-0163, PartValue=110k, Price=0.055, ROHS=True, Type1=RES, Type2=Thickfilm
R221: library part 01-0143, CaseName=0805, Manufacturer 1=Multicomp, Manufacturer Part Number 1="MC 0.1W 0805 1% 20K", Power=100m, Tolerance=1%, Voltage=150V, Author=CBA, Checked=CBA, ComponentLink1Description=Datasheet, ComponentLink1URL=http://www.farnell.com/datasheets/90824.pdf, Distributor=Farnell, LatestRevision Date=06.10.2006, LatestRevision Note=Checked, Order Number=9332774, Part Description="0805 20k 150V 0.1W 1%", Part Number=01-0143, PartValue=20k, Price=0.055, ROHS=True, Type1=RES, Type2=Thickfilm
R300 R302: library part 01-0771, CaseName=0603, Manufacturer 1=Panasonic, Manufacturer Part Number 1=ERJ3EKF15R0V, Power=100m, Tolerance=1%, Voltage=75V, Author=RVI, ComponentLink1Description=Datasheet, ComponentLink1URL=http://www.farnell.com/datasheets/1911175.pdf?_ga=2.3136304.1296746569.1501662084-657638312.1494329784, Distributor=Farnell, LatestRevision Date=03.08.2017, LatestRevision Note=Initial, Order Number=2302978, Part Description="0603 15E 75V 0.1W 1% 100ppm, AEC-Q200", Part Number=01-0771, PartValue=15E, Price=0.05, ROHS=True, Type1=RES, Type2=Thickfilm
R301: library part 01-0690, CaseName=0603, Manufacturer 1=Vishay, Manufacturer Part Number 1=TNPW060333K0BEEA, Power=100m, Tolerance=0.1%, Voltage=75V, Author=RLE, ComponentLink1Description=Datasheet, ComponentLink1URL=http://www.vishay.com/docs/28758/tnpw_e3.pdf, Distributor=Mouser, LatestRevision Date=24.07.2015, LatestRevision Note=Initial, Order Number=71-TNPW060333K0BEEA, Part Description="0603 33k 75V 0.1W 0.1% 25ppm, AEC-Q200", Part Number=01-0690, PartValue=33k, Price=0.35, ROHS=True, Type1=RES, Type2=Thinfilm
R303: library part 01-0573, CaseName=0603, Manufacturer 1=Vishay, Manufacturer Part Number 1=TNPW06031K00BEEA, Power=100m, Tolerance=0.1%, Voltage=75V, Author=SSC, ComponentLink1Description=Datasheet, ComponentLink1URL=http://www.vishay.com/docs/28758/tnpw_e3.pdf, Distributor=Mouser, Distributor 2=Digikey, LatestRevision Date=12.06.2012, LatestRevision Note=Initial, Order Number=71-TNPW06031K00BEEA, Order Number 2=TNPW06031K00BEEA-ND, Part Description="0603 1k 75V 0.1W 0.1% 25ppm AEC-Q200", Part Number=01-0573, PartValue=1k, Price=0.37, ROHS=True, Type1=RES, Type2=Thinfilm
R304: library part 01-0781, CaseName=0805, Manufacturer 1=Panasonic, Manufacturer Part Number 1=ERJ-6DSFR15V, Power=500m, Tolerance=1%, Author=LME, ComponentLink1Description=Datasheet, ComponentLink1URL=https://industrial.panasonic.com/cdbs/www-data/pdf/RDN0000/AOA0000C313.pdf, Distributor=Mouser, Distributor 2=DigiKey, LatestRevision Date=12.01.2018, LatestRevision Note=Initial, Order Number=667-ERJ-6DSFR15V, Order Number 2=P19312CT-ND, Part Description="0805 150m Current Sense Resistor AEC-Q200", Part Number=01-0781, PartValue=150m, Price=0.7, ROHS=True, Type1=RES, Type2=Thickfilm
R400 R411: library part 01-0257, CaseName=1206, Manufacturer 1=Multicomp, Manufacturer Part Number 1="MC 0.125W1206 1% 1K", Power=125m, Tolerance=1%, Voltage=200V, Author=CBA, Checked=CBA, ComponentLink1Description=Datasheet, ComponentLink1URL=http://www.farnell.com/datasheets/90824.pdf, Distributor=Farnell, LatestRevision Date=06.10.2006, LatestRevision Note=Checked, Order Number=9335757, Part Description="1206 1k 200V 0.125W 1%", Part Number=01-0257, PartValue=1k, Price=0.055, ROHS=True, Type1=RES, Type2=Thickfilm
R401 R402 R403 R406 R407 R410 R413 R414 R416 R419 R420 R421: library part 01-0574, CaseName=MMA0204, Manufacturer 1=Vishay, Manufacturer Part Number 1=MMA02040C1009F, Power=250m, Tolerance=1%, Voltage=200V, Author=MFR, ComponentLink1Description=Datasheet, ComponentLink1URL=http://www.vishay.com/docs/28713/melfprof.pdf, Distributor=Mouser, Distributor 2=Farnell, LatestRevision Date=15.06.2012, LatestRevision Note=Initial, Order Number=594-MMA02040C1009FB3, Order Number 2=3087542, Part Description="Mini-Melf 10R 200V 0.25W", Part Number=01-0574, PartValue=10E, Price=0.1, ROHS=True, Type1=RES, Type2=Metalfilm
R404 R409 R412 R415: library part 01-0770, CaseName=0603, Manufacturer 1=Panasonic, Manufacturer Part Number 1=ERJ3EKF1000V, Power=100m, Tolerance=1%, Voltage=75V, Author=RVI, ComponentLink1Description=Datasheet, ComponentLink1URL=http://www.farnell.com/datasheets/2111203.pdf?_ga=2.233800540.312604292.1501488576-657638312.1494329784, Distributor=Farnell, LatestRevision Date=31.07.2017, LatestRevision Note=Inital, Order Number=2303059, Part Description="0603 100E 75VV 0.1W 1% 100ppm, AEC-Q200", Part Number=01-0770, PartValue=100E, Price=0.05, ROHS=True, Type1=RES, Type2=Thickfilm
R405 R418: library part 01-0675, CaseName=1206, Manufacturer 1=Vishay, Manufacturer Part Number 1=CRCW120622R0FKEAHP, Power=500m, Tolerance=1%, Voltage=200V, Author=CSI, ComponentLink1Description=Datasheet, ComponentLink1URL=http://www.vishay.com/docs/20043/crcwhpe3.pdf, Distributor=Mouser, Distributor 2=Digikey, LatestRevision Date=27.01.2015, LatestRevision Note=Initial, Order Number=71-CRCW120622R0FKEAH, Order Number 2=541-22.0UTR-ND, Part Description="1206 22E 200V 500mW 1% AEC-Q200", Part Number=01-0675, PartValue=22E, Price=0.098, ROHS=True, Type1=RES, Type2=Thickfilm
R408 R417: library part 01-0128, CaseName=0603, Manufacturer 1=Multicomp, Manufacturer Part Number 1="MC 0.063W 0603 0R", Power=63m, Tolerance=1%, Voltage=50V, Author=CBA, Checked=CBA, ComponentLink1Description=Datasheet, ComponentLink1URL=http://www.farnell.com/datasheets/90824.pdf, Distributor=Farnell, LatestRevision Date=06.10.2006, LatestRevision Note=Checked, Order Number=9331662, Part Description="0603 0E 50V 0.063W 1%", Part Number=01-0128, PartValue=0E, Price=0.06, ROHS=True, Type1=RES, Type2=Thickfilm
R500 R501 R502 R503: library part 01-0088, CaseName=0603, Manufacturer 1=Multicomp, Manufacturer Part Number 1="MC 0.063W 0603 1% 47K", Power=63m, Tolerance=1%, Voltage=50V, Author=CBA, Checked=CBA, ComponentLink1Description=Datasheet, ComponentLink1URL=http://www.farnell.com/datasheets/90824.pdf, Distributor=Farnell, LatestRevision Date=06.10.2006, LatestRevision Note=Checked, Order Number=9331255, Part Description="0603 47k 50V 0.063W 1%", Part Number=01-0088, PartValue=47k, Price=0.06, ROHS=True, Type1=RES, Type2=Thickfilm
TP200 TP201 TP202 TP203 TP204: library part 13-0304, CaseName=1mm, Author=CSI, ComponentLink1Description=Datasheet, LatestRevision Date=13.12.2012, LatestRevision Note=Initial, Part Description="Test point SMD - Dia 1mm", Part Number=13-0304, PartValue="TP SMD 1mm", Price=0, ROHS=True, Type1=TP, Type2=SMD